# KiCad board poly_kb_wave_right.kicad_pcb (continued)
## Routing (per net, layer and track width the routed paths; a pad name or vN(x,y) marks a point on that pad's centre or on a via; arc(x,y) is an arc through that point) (continued)
/K_1/C1N: length 7
  Bottom w0.3: J2.5 64.15,115.97 64.97,116.79 68.81,116.79 C6_2.2
/K_1/C1P: length 5.1
  Bottom w0.3: C6_2.1 68.31,116.33 65.15,116.33 64.65,115.84 J2.4
/K_1/C2N: length 4.3
  Bottom w0.3: J2.3 65.15,114.53 65.2,114.48 66.66,114.48 66.71,114.42 68.44,114.42 C5_2.2
/K_1/C2P: length 5.2
  Bottom w0.3: J2.2 65.65,115.88 65.66,115.88 67.54,115.88 68.09,115.33 69,115.33 C5_2.1
/K_1/CS: length 115.8
  In2.Cu w0.254: v3(57.57,114.67) 57.57,112.74 58.1,112.2 62.5,112.2 65.8,108.91 65.8,106.81 66.9,105.7 68.6,105.7 72.1,102.2 89.1,102.2 91.8,104.91 110.6,104.91 113.1,102.41 129.5,102.41 132.19,99.71 145.41,99.71 146.42,100.72 v3(146.42,103.24)
  Bottom w0.254: U4.1 148.21,106.25 146.44,104.48 146.44,103.26 v3(146.42,103.24)
  Bottom w0.3: J2.8 62.65,114.43 62.4,114.17 62.4,113.4 61.89,112.9 59.35,112.9 v3(57.57,114.67) R1_2.2
/K_1/LED_DIN: length 16.4
  Top w0.3: LED2.4 70.79,117.32 71.39,117.92 80.49,117.92
/K_1/LED_DOUT: length 16.9
  Top w0.3: LED2.2 53.52,115.54 51.74,117.32 LED1.4
/K_1/VCOMH: length 4.7
  Bottom w0.3: J2.13 60.15,115.88 59.06,116.98 58.15,116.98 57.25,117.88 C4_2.1
/K_2/C1N: length 7
  Bottom w0.3: C6_3.2 87.86,119.17 84.02,119.17 83.2,118.36 J3.5
/K_2/C1P: length 5.1
  Bottom w0.3: J3.4 83.7,118.22 84.2,118.72 87.36,118.72 C6_3.1
/K_2/C2N: length 4.3
  Bottom w0.3: C5_3.2 87.49,116.8 85.76,116.8 85.71,116.86 84.25,116.86 84.2,116.91 J3.3
/K_2/C2P: length 5.2
  Bottom w0.3: J3.2 84.7,118.26 84.71,118.26 86.59,118.26 87.14,117.71 88.05,117.71 C5_3.1
/K_2/CS: length 89.6
  In2.Cu w0.254: v3(148.22,103.59) 147.61,104.2 128.7,104.2 126.3,106.6 110.2,106.6 107.2,109.6 93.7,109.6 90.7,112.6 82.8,112.6 80.7,114.7 78.97,114.7 v3(76.62,117.05)
  Bottom w0.254: U4.2 148.86,106.32 148.22,105.69 v3(148.22,103.59)
  Bottom w0.3: J3.8 81.7,116.81 81.45,116.55 81.45,115.78 80.94,115.28 78.4,115.28 v3(76.62,117.05) R1_3.2
/K_2/LED_DIN: length 17.6
  Top w0.3: LED4.2 98.84,121 94.85,121 92.75,118.91 84.2,118.91 83.42,119.69 LED3.4
/K_2/VCOMH: length 4.7
  Bottom w0.3: J3.13 79.2,118.26 78.11,119.36 77.2,119.36 76.3,120.26 C4_3.1
/K_3/C1N: length 7
  Bottom w0.3: C6_4.2 106.91,121.55 103.07,121.55 102.25,120.74 J4.5
/K_3/C1P: length 5.1
  Bottom w0.3: C6_4.1 106.41,121.1 103.25,121.1 102.75,120.6 J4.4
/K_3/C2N: length 4.3
  Bottom w0.3: C5_4.2 106.54,119.18 104.81,119.18 104.76,119.24 103.3,119.24 103.25,119.29 J4.3
/K_3/C2P: length 5.2
  Bottom w0.3: J4.2 103.75,120.64 103.76,120.65 105.64,120.65 106.19,120.09 107.1,120.09 C5_4.1
/K_3/CS: length 71.1
  In2.Cu w0.254: v3(148.91,105.24) 128.57,105.24 126.4,107.41 110.6,107.41 107.3,110.7 105,110.7 103.9,111.81 103.9,113.91 100.8,117 98.1,117 v3(95.67,119.44)
  Bottom w0.254: v3(148.91,105.24) 149.51,105.84 U4.3
  Bottom w0.3: J4.8 100.75,119.19 100.5,118.94 100.5,118.17 99.99,117.66 97.45,117.66 v3(95.67,119.44) R1_4.2
/K_3/LED_DIN: length 18
  Top w0.3: LED4.4 102.56,122.18 109.97,122.18 112.42,119.72 116.89,119.72 118.59,118.02 LED5.2
/K_3/VCOMH: length 15.7
  Top w0.3: v3(97.1,119.31) 96.35,120.06 95.15,120.06 93.3,118.2 93.3,112.31 v3(94.4,111.2)
  Bottom w0.3: J4.13 98.25,119.35 98,119.1 97.3,119.1 v3(97.1,119.31) ; v3(94.4,111.2) 93.55,112.06 C4_4.1
/K_4/C1N: length 7
  Bottom w0.3: C6_5.2 125.96,119.17 122.12,119.17 121.3,118.36 J5.5
/K_4/C1P: length 5.1
  Bottom w0.3: J5.4 121.8,118.22 122.3,118.72 125.46,118.72 C6_5.1
/K_4/C2N: length 4.3
  Bottom w0.3: C5_5.2 125.59,116.8 123.86,116.8 123.81,116.86 122.35,116.86 122.3,116.91 J5.3
/K_4/C2P: length 5.2
  Bottom w0.3: J5.2 122.8,118.26 122.81,118.26 124.69,118.26 125.24,117.71 126.15,117.71 C5_5.1
/K_4/CS: length 43.5
  In2.Cu w0.254: v3(119.44,115.67) 122.3,112.81 137.2,112.81 139.8,110.2 142.8,110.2 144.16,108.85 v3(150.13,108.85)
  Bottom w0.254: U4.4 150.16,108.82 v3(150.13,108.85)
  Bottom w0.3: R1_5.2 114.72,117.05 116.5,115.28 119.04,115.28 v3(119.44,115.67) 119.55,115.78 119.55,116.55 119.8,116.81 J5.8
/K_4/LED_DIN: length 17.9
  Top w0.3: LED5.4 129.01,119.7 131.4,117.31 135.9,117.31 137.64,115.57 LED6.2
/K_4/VCOMH: length 4.7
  Bottom w0.3: J5.13 117.3,118.26 116.21,119.36 115.3,119.36 114.4,120.26 C4_5.1
/K_5/C1N: length 7
  Bottom w0.3: C6_6.2 145.01,116.79 141.17,116.79 140.35,115.97 J6.5
/K_5/C1P: length 5.1
  Bottom w0.3: J6.4 140.85,115.84 141.35,116.33 144.51,116.33 C6_6.1
/K_5/C2N: length 4.3
  Bottom w0.3: C5_6.2 144.64,114.42 142.91,114.42 142.86,114.48 141.4,114.48 141.35,114.53 J6.3
/K_5/C2P: length 5.2
  Bottom w0.3: J6.2 141.85,115.88 141.86,115.88 143.74,115.88 144.29,115.33 145.2,115.33 C5_6.1
/K_5/CS: length 27
  In1.Cu w0.254: v3(138.55,113.36) 138.55,112.46 142,109 142,107.1 143.2,105.91 v3(145,105.91)
  In2.Cu w0.254: v3(145,105.91) 149.6,105.91 v3(149.99,105.51)
  Bottom w0.254: U4.5 150.81,106.69 149.99,105.88 v3(149.99,105.51) ; 145.07,105.84 v3(145,105.91)
  Bottom w0.3: J6.8 138.85,114.43 138.6,114.17 138.6,113.4 138.09,112.9 135.55,112.9 133.77,114.67 R1_6.2
/K_5/LED_DIN: length 21.6
  Top w0.3: LED7.2 153.53,115.54 151.75,117.32 LED6.4
/K_5/VCOMH: length 4.7
  Bottom w0.3: C4_6.1 133.45,117.88 134.35,116.98 135.26,116.98 136.35,115.88 J6.13
/K_A/C1N: length 7
  Bottom w0.3: C6_16.2 68.81,78.69 64.97,78.69 64.15,77.87 J16.5
/K_A/C1P: length 5.1
  Bottom w0.3: J16.4 64.65,77.74 65.15,78.23 68.31,78.23 C6_16.1
/K_A/C2N: length 4.3
  Bottom w0.3: C5_16.2 68.44,76.32 66.71,76.32 66.66,76.38 65.2,76.38 65.15,76.43 J16.3
/K_A/C2P: length 5.2
  Bottom w0.3: J16.2 65.65,77.78 65.66,77.78 67.54,77.78 68.09,77.23 69,77.23 C5_16.1
/K_A/CS: length 102.7
  In2.Cu w0.3: v3(62.3,75) 65.7,71.6 67.9,71.6 70.9,68.6 87.6,68.6 90,66.2 109.3,66.2 111.4,64.1 131.1,64.1 132.6,62.6 144.6,62.6 v3(146.24,64.25)
  Bottom w0.254: U6.1 146.24,66.06 v3(146.24,64.25)
  Bottom w0.3: J16.8 62.65,76.33 62.4,76.07 62.4,75.3 61.89,74.8 59.35,74.8 57.57,76.57 R1_16.2
/K_A/LED_DIN: length 16.4
  Top w0.3: 80.49,79.82 72.57,79.82 71.97,79.22 LED16.4
/K_A/LED_DOUT: length 16.9
  Top w0.3: LED16.2 53.52,77.44 51.74,79.22 LED15.4
/K_A/VCOMH: length 4.7
  Bottom w0.3: J16.13 60.15,77.78 59.06,78.88 58.15,78.88 57.25,79.78 C4_16.1
/K_B1/C1N: length 7
  Bottom w0.3: C6_30.2 29.58,27.76 25.96,26.45 25.48,25.41 J30.5
/K_B1/C1P: length 5.1
  Bottom w0.3: C6_30.1 29.25,27.16 26.29,26.09 25.99,25.45 J30.4
/K_B1/C2N: length 4.3
  Bottom w0.3: J30.3 26.91,24.39 26.97,24.36 28.34,24.86 28.41,24.82 30.04,25.41 C5_30.2
/K_B1/C2P: length 5.2
  Bottom w0.3: J30.2 26.92,25.83 26.92,25.83 28.69,26.48 29.39,26.15 30.25,26.46 C5_30.1
/K_B1/CS: length 84.4
  In1.Cu w0.3: v3(19.73,21.93) 21.16,20.5 58.85,20.5 61.73,23.38 90.44,23.38 v3(90.46,23.41)
  Bottom w0.254: U8.1 90.86,23.8 v3(90.46,23.41)
  Bottom w0.3: J30.8 24.48,23.75 24.48,22.12 23.93,21.57 22.01,20.87 v3(19.73,21.93) R1_30.2
/K_B1/LED_DIN: length 20.2
  Top w0.3: LED31.2 37.2,28.6 30.28,28.6 30.26,28.58 LED30.4
/K_B1/LED_DOUT: length 34.9
  Top w0.3: LED29.4 19.01,48.1 22.01,48.1 24.1,46 24.1,42.2 26.4,39.91 26.4,32.7 20.7,27 20.7,25.2 21.84,24.07 LED30.2
/K_B1/VCOMH: length 4.8
  Bottom w0.3: C4_30.1 18.96,24.38 20.84,24.38 20.86,24.36 21.75,23.95 J30.13
/K_B2/C1N: length 7
  Bottom w0.3: C6_31.2 51.78,33.38 48.04,32.49 47.44,31.51 J31.5
/K_B2/C1P: length 5.1
  Bottom w0.3: J31.4 47.96,31.49 48.33,32.09 51.39,32.83 C6_31.1
/K_B2/C2N: length 4.3
  Bottom w0.3: C5_31.2 51.97,31 50.29,30.59 50.22,30.63 48.81,30.3 48.75,30.33 J31.3
/K_B2/C2P: length 5.2
  Bottom w0.3: C5_31.1 52.3,32.01 51.41,31.8 50.75,32.21 48.92,31.77 48.92,31.76 J31.2
/K_B2/CS: length 63.4
  In1.Cu w0.3: v3(41.34,28.7) 43.24,26.81 47.3,26.81 48.3,25.81 53.9,25.81 55.85,23.85 88.65,23.85 89.18,24.38 v3(91.51,24.38)
  Bottom w0.254: U8.2 v3(91.51,24.38)
  Bottom w0.3: R1_31.2 v3(41.34,28.7) 43.48,27.39 45.95,27.98 46.33,28.6 46.15,29.34 46.34,29.66 J31.8
/K_B2/LED_DIN: length 21.8
  Top w0.3: LED31.4 48.81,34.34 LED32.2
/K_B2/VCOMH: length 5
  Bottom w0.3: C4_31.1 40.99,31.14 42.53,31.14 42.58,31.09 43.57,30.48 J31.13
/K_B3/C1N: length 7
  Bottom w0.3: C6_32.2 75.77,36.23 71.93,35.89 71.2,35.01 J32.5
/K_B3/C1P: length 5.1
  Bottom w0.3: J32.4 71.71,34.92 72.16,35.46 75.3,35.73 C6_32.1
/K_B3/C2N: length 4.3
  Bottom w0.3: J32.3 72.32,33.66 72.37,33.61 73.82,33.74 73.88,33.69 75.6,33.84 C5_32.2
/K_B3/C2P: length 5.2
  Bottom w0.3: J32.2 72.7,35.05 72.7,35.05 74.57,35.22 75.17,34.71 76.08,34.79 C5_32.1
/K_B3/CS: length 41.7
  In1.Cu w0.3: v3(92.16,25.19) 74.72,25.19 73.95,25.95 73.95,27.35 70.35,30.95 66.94,30.95 v3(64.75,33.14)
  Bottom w0.254: U8.3 v3(92.16,25.19)
  Bottom w0.3: J32.8 69.84,33.34 69.6,33.06 69.67,32.3 69.21,31.75 66.68,31.53 v3(64.75,33.14) R1_32.2
/K_B3/LED_DIN: length 31.4
  Top w0.3: LED33.2 97.4,44.1 94.96,41.66 94.94,41.66 89.66,36.37 LED32.4
/K_B3/VCOMH: length 4.9
  Bottom w0.3: C4_32.1 65.16,35.51 66.25,35.51 67.08,34.68 67.22,34.57 J32.13
/K_B4/C1N: length 7
  Bottom w0.3: C6_33.2 106.91,45.35 103.07,45.35 102.25,44.54 J33.5
/K_B4/C1P: length 5.1
  Bottom w0.3: C6_33.1 106.41,44.9 103.25,44.9 102.75,44.4 J33.4
/K_B4/C2N: length 4.3
  Bottom w0.3: J33.3 103.25,43.09 103.3,43.04 104.76,43.04 104.81,42.98 106.54,42.98 C5_33.2
/K_B4/C2P: length 5.2
  Bottom w0.3: J33.2 103.75,44.44 103.76,44.45 105.64,44.45 106.19,43.89 107.1,43.89 C5_33.1
/K_B4/CS: length 29.7
  In1.Cu w0.3: v3(95.67,43.24) 93,40.57 v3(93,25.13)
  Bottom w0.254: 93.08,25.13 93,25.13 v3(93,25.13) 92.8,25.32 U8.4
  Bottom w0.3: R1_33.2 v3(95.67,43.24) 97.45,41.46 99.99,41.46 100.5,41.97 100.5,42.74 100.75,42.99 J33.8
/K_B4/LED_DIN: length 17.8
  Top w0.3: LED34.2 110.55,41.72 106.38,45.88 LED33.4
/K_B4/VCOMH: length 4.7
  Bottom w0.3: C4_33.1 95.35,46.44 96.25,45.54 97.16,45.54 98.25,44.44 J33.13
/K_B5/C1N: length 7
  Bottom w0.3: C6_34.2 125.96,42.97 122.12,42.97 121.3,42.16 121.3,41.36
/K_B5/C1P: length 5.1
  Bottom w0.3: 121.8,41.36 121.8,42.02 122.3,42.52 125.46,42.52 C6_34.1
/K_B5/C2N: length 4.3
  Bottom w0.3: C5_34.2 125.59,40.6 123.86,40.6 123.81,40.66 122.35,40.66 122.3,40.71 122.3,41.36
/K_B5/C2P: length 5.2
  Bottom w0.3: C5_34.1 126.15,41.51 125.24,41.51 124.69,42.06 122.81,42.06 122.8,42.06 122.8,41.36
/K_B5/CS: length 42.4
  In1.Cu w0.3: v3(114.72,40.85) 109.4,35.54 109.4,27.82 107.2,25.62 94.28,25.62 v3(93.76,25.1)
  Bottom w0.254: 93.84,25.21 93.45,25.59 U8.5
  Bottom w0.3: 119.8,41.36 119.8,40.61 119.55,40.35 119.55,39.58 119.04,39.08 116.5,39.08 v3(114.72,40.85) R1_34.2
/K_B5/LED_DIN: length 18
  Top w0.3: LED34.4 130.43,43.5 132.83,41.1 136.2,41.1 137.64,39.67 LED35.2
/K_B5/VCOMH: length 4.7
  Bottom w0.3: C4_34.1 114.4,44.06 115.3,43.16 116.21,43.16 117.3,42.06 117.3,41.36
/K_B6/C1N: length 7
  Bottom w0.3: C6_35.2 145.01,40.59 141.17,40.59 140.35,39.77 J35.5
/K_B6/C1P: length 5.1
  Bottom w0.3: C6_35.1 144.51,40.13 141.35,40.13 140.85,39.64 J35.4
/K_B6/C2N: length 4.3
  Bottom w0.3: J35.3 141.35,38.33 141.4,38.28 142.86,38.28 142.91,38.22 144.64,38.22 C5_35.2
/K_B6/C2P: length 5.2
  Bottom w0.3: J35.2 141.85,39.68 141.86,39.68 143.74,39.68 144.29,39.13 145.2,39.13 C5_35.1
/K_B6/CS: length 59.3
  In1.Cu w0.3: v3(94.91,24.78) 94.91,24.78 126.53,24.78 128.85,27.1 128.85,33.56 v3(133.77,38.47)
  Bottom w0.254: 94.11,27 94.11,25.58 v3(94.91,24.78)
  Bottom w0.3: J35.8 138.85,38.23 138.6,37.97 138.6,37.2 138.09,36.7 135.55,36.7 v3(133.77,38.47) R1_35.2
/K_B6/LED_DIN: length 16.9
  Top w0.3: LED36.2 148.77,39.34 146.99,41.12 LED35.4
/K_B6/VCOMH: length 4.7
  Bottom w0.3: C4_35.1 133.45,41.68 134.35,40.78 135.26,40.78 136.35,39.68 J35.13
/K_B7/C1N: length 7
  Bottom w0.3: C6_36.2 164.06,40.59 160.22,40.59 159.4,39.77 J36.5
/K_B7/C1P: length 5.1
  Bottom w0.3: J36.4 159.9,39.64 160.4,40.13 163.56,40.13 C6_36.1
/K_B7/C2N: length 4.3
  Bottom w0.3: C5_36.2 163.69,38.22 161.96,38.22 161.91,38.28 160.45,38.28 160.4,38.33 J36.3
/K_B7/C2P: length 5.2
  Bottom w0.3: J36.2 160.9,39.68 160.91,39.68 162.79,39.68 163.34,39.13 164.25,39.13 C5_36.1
/K_B7/CS: length 81
  In1.Cu w0.3: v3(146.55,23.02) 150.79,27.26 150.79,36.44 v3(152.82,38.47)
  Bottom w0.3: U8.7 94.75,26.35 95.14,25.96 105.65,25.96 106.52,26.83 110.15,26.83 113.96,23.02 v3(146.55,23.02) ; J36.8 157.9,38.23 157.65,37.97 157.65,37.2 157.14,36.7 154.6,36.7 v3(152.82,38.47) R1_36.2
/K_B7/LED_DIN: length 175.3
  Top w0.254: LED36.4 159,41.74 v3(159,42.1)
  Top w0.3: 39.21,52.25 34.05,52.25 v3(32.3,50.5)
  In2.Cu w0.254: v3(32.3,50.5) 32.3,45.71 37.6,40.41 37.6,33.1 40.4,30.3 40.4,20.2 59.9,20.2 63.1,23.41 83,23.41 87.5,27.91 112.3,27.91 115,25.2 131.1,25.2 134.1,28.2 144.1,28.2 144.2,28.1 152.6,36.5 157.3,36.5 159.6,38.8 159.6,41.5 v3(159,42.1)
/K_B7/VCOMH: length 4.7
  Bottom w0.3: 152.5,41.92 152.5,41.68 153.4,40.78 154.31,40.78 155.4,39.68 J36.13
/K_B8/C1N: length 7
  Bottom w0.3: C6_29.2 21.47,48.42 17.85,47.1 17.37,46.06 J29.5
/K_B8/C1P: length 5.1
  Bottom w0.3: C6_29.1 21.14,47.82 18.18,46.74 17.88,46.1 J29.4
/K_B8/C2N: length 4.3
  Bottom w0.3: C5_29.2 21.93,46.07 20.3,45.48 20.23,45.51 18.86,45.01 18.8,45.04 J29.3
/K_B8/C2P: length 5.2
  Bottom w0.3: C5_29.1 22.14,47.12 21.28,46.8 20.58,47.13 18.81,46.49 18.81,46.49 J29.2
/K_B8/CS: length 120.4
  In1.Cu w0.3: v3(11.62,42.59) 8.28,41.37 8.28,37.57 16.07,16.69 v3(24.45,8.31)
  Bottom w0.3: U8.15 91.5,20.62 87.84,16.95 61.15,16.95 32.05,8.31 v3(24.45,8.31) ; J29.8 16.38,44.37 16.38,43.91 16.48,43.81 16.48,42.59 16.29,42.39 13.9,41.53 v3(11.62,42.59) R1_29.2
/K_B8/VCOMH: length 4.8
  Bottom w0.3: 9.88,45.2 10.83,44.75 12.23,45.26 13.64,44.61 J29.13
/K_B/C1N: length 7
  Bottom w0.3: C6_27.2 145.01,59.64 141.17,59.64 140.35,58.82 J27.5
/K_B/C1P: length 5.1
  Bottom w0.3: J27.4 140.85,58.69 141.35,59.18 144.51,59.18 C6_27.1
/K_B/C2N: length 4.3
  Bottom w0.3: J27.3 141.35,57.38 141.4,57.33 142.86,57.33 142.91,57.27 144.64,57.27 C5_27.2
/K_B/C2P: length 5.2
  Bottom w0.3: J27.2 141.85,58.73 141.86,58.73 143.74,58.73 144.29,58.18 145.2,58.18 C5_27.1
/K_B/CS: length 24.9
  Top w0.3: v3(138.53,56.18) 138.53,55.08 140.3,53.3 150.86,53.3 v3(150.88,53.33)
  Bottom w0.254: v3(150.88,53.33) 150.73,53.18 U7.5
  Bottom w0.3: J27.8 138.85,57.28 138.6,57.02 138.6,56.25 138.09,55.75 135.55,55.75 133.77,57.52 R1_27.2
/K_B/LED_DIN: length 21.6
  Top w0.3: LED28.2 153.53,58.39 151.75,60.17 LED27.4
/K_B/LED_DOUT: length 18
  Top w0.3: LED26.4 130.76,62.55 133.15,60.16 136.15,60.16 137.64,58.67 LED27.2
/K_B/VCOMH: length 4.7
  Bottom w0.3: C4_27.1 133.45,60.73 134.35,59.83 135.26,59.83 136.35,58.73 J27.13
/K_C/C1N: length 7
  Bottom w0.3: C6_25.2 106.91,64.4 103.07,64.4 102.25,63.59 J25.5
/K_C/C1P: length 5.1
  Bottom w0.3: C6_25.1 106.41,63.95 103.25,63.95 102.75,63.45 J25.4
/K_C/C2N: length 4.3
  Bottom w0.3: J25.3 103.25,62.14 103.3,62.09 104.76,62.09 104.81,62.03 106.54,62.03 C5_25.2
/K_C/C2P: length 5.2
  Bottom w0.3: J25.2 103.75,63.49 103.76,63.5 105.64,63.5 106.19,62.94 107.1,62.94 C5_25.1
/K_C/CS: length 68.8
  In2.Cu w0.3: v3(146.57,46.28) 145.95,46.91 127.6,46.91 125,49.5 108.7,49.5 104.1,54.1 104.1,57.1 v3(100.34,60.86)
  Bottom w0.254: v3(146.57,46.28) 146.57,48.23 147.35,49.01 148.01,49.01 149.43,50.43 U7.3
  Bottom w0.3: R1_25.2 95.67,62.29 97.45,60.51 99.99,60.51 100.5,61.02 100.5,61.79 100.75,62.04 J25.8
/K_C/LED_DIN: length 17.8
  Top w0.3: LED25.4 106.43,64.94 110.6,60.77 LED26.2
/K_C/LED_DOUT: length 16.4
  Top w0.3: LED25.2 91.62,63.16 91.02,62.55 LED24.4
/K_C/VCOMH: length 4.7
  Bottom w0.3: C4_25.1 95.35,65.49 96.25,64.59 97.16,64.59 98.25,63.49 J25.13
/K_D/C1N: length 7
  Bottom w0.3: C6_18.2 106.91,83.45 103.07,83.45 102.25,82.64 J18.5
/K_D/C1P: length 5.1
  Bottom w0.3: C6_18.1 106.41,83 103.25,83 102.75,82.5 J18.4
/K_D/C2N: length 4.3
  Bottom w0.3: C5_18.2 106.54,81.08 104.81,81.08 104.76,81.14 103.3,81.14 103.25,81.19 J18.3
/K_D/C2P: length 5.2
  Bottom w0.3: J18.2 103.75,82.54 103.76,82.55 105.64,82.55 106.19,81.99 107.1,81.99 C5_18.1
/K_D/CS: length 66.6
  In2.Cu w0.3: v3(100.37,79.94) 104,76.3 104,73.66 108.76,68.91 125.5,68.91 128.31,66.1 147.32,66.1 v3(147.91,65.51)
  Bottom w0.254: v3(147.91,65.51) 149.46,67.07 U6.3
  Bottom w0.3: R1_18.2 95.67,81.34 97.45,79.56 99.99,79.56 100.5,80.07 100.5,80.84 100.75,81.09 J18.8
/K_D/LED_DIN: length 17.8
  Top w0.3: LED19.2 110.89,79.82 106.72,83.98 LED18.4
/K_D/LED_DOUT: length 16.4
  Top w0.3: LED18.2 91.62,82.2 91.02,81.6 LED17.4
/K_D/VCOMH: length 4.3
  Bottom w0.3: 95.42,84.38 96.17,83.64 97.16,83.64 98.25,82.54 J18.13
/K_E/C1N: length 7
  Bottom w0.3: J11.5 102.25,101.69 103.07,102.5 106.91,102.5 C6_11.2
/K_E/C1P: length 5.1
  Bottom w0.3: C6_11.1 106.41,102.05 103.25,102.05 102.75,101.55 J11.4
/K_E/C2N: length 4.3
  Bottom w0.3: J11.3 103.25,100.24 103.3,100.19 104.76,100.19 104.81,100.13 106.54,100.13 C5_11.2
/K_E/C2P: length 5.2
  Bottom w0.3: C5_11.1 107.1,101.04 106.19,101.04 105.64,101.6 103.76,101.6 103.75,101.59 J11.2
/K_E/CS: length 72.4
  In2.Cu w0.3: v3(146.34,86.89) 144.45,85 127.11,85 124.3,87.8 108.4,87.8 104,92.2 104,95.31 v3(100.34,98.96)
  Bottom w0.3: R1_11.2 95.61,100.39 97.38,98.61 99.99,98.61 100.5,99.12 100.5,99.89 100.75,100.14 J11.8 ; v3(146.34,86.89) 146.34,88 147.41,89.07 147.41,91.35 147.74,91.68 147.74,92.29 148.1,92.64 148.91,92.64 149.51,92.05 U5.3
/K_E/LED_DIN: length 17.8
  Top w0.3: LED11.4 110.11,103.03 112.44,100.7 116.76,100.7 LED12.2
/K_E/LED_DOUT: length 16.4
  Top w0.3: LED11.2 90.44,101.25 89.84,100.65 LED10.4
/K_E/VCOMH: length 4.7
  Bottom w0.3: J11.13 98.25,101.59 97.16,102.69 96.25,102.69 95.35,103.59 C4_11.1
/K_F/C1N: length 7
  Bottom w0.3: J19.5 121.3,80.26 122.12,81.07 125.96,81.07 C6_19.2
/K_F/C1P: length 5.1
  Bottom w0.3: J19.4 121.8,80.12 122.3,80.62 125.46,80.62 C6_19.1
/K_F/C2N: length 4.3
  Bottom w0.3: C5_19.2 125.59,78.7 123.86,78.7 123.81,78.76 122.35,78.76 122.3,78.81 J19.3
/K_F/C2P: length 5.2
  Bottom w0.3: C5_19.1 126.15,79.61 125.24,79.61 124.69,80.16 122.81,80.16 122.8,80.16 J19.2
/K_F/CS: length 47.8
  In2.Cu w0.3: v3(119.4,77.41) 122.4,74.41 124.8,74.41 132.1,67.1 147.51,67.1 148.51,66.1 v3(148.51,64.57)
  Bottom w0.254: U6.4 150.11,66.16 v3(148.51,64.57)
  Bottom w0.3: J19.8 119.8,78.71 119.55,78.45 119.55,77.68 119.04,77.18 116.5,77.18 114.72,78.95 R1_19.2
/K_F/LED_DIN: length 17.9
  Top w0.3: LED19.4 130.76,81.6 133.03,79.33 135.88,79.33 137.64,77.57 LED20.2
/K_F/VCOMH: length 4.7
  Bottom w0.3: J19.13 117.3,80.16 116.21,81.26 115.3,81.26 114.4,82.16 C4_19.1
/K_G/C1N: length 7
  Bottom w0.3: J20.5 140.35,77.87 141.17,78.69 145.01,78.69 C6_20.2
/K_G/C1P: length 5.1
  Bottom w0.3: J20.4 140.85,77.74 141.35,78.23 144.51,78.23 C6_20.1
/K_G/C2N: length 4.3
  Bottom w0.3: J20.3 141.35,76.43 141.4,76.38 142.86,76.38 142.91,76.32 144.64,76.32 C5_20.2
/K_G/C2P: length 5.2
  Bottom w0.3: J20.2 141.85,77.78 141.86,77.78 143.74,77.78 144.29,77.23 145.2,77.23 C5_20.1
/K_G/CS: length 25.8
  Top w0.3: v3(146.11,69.25) 146.04,69.33 146.04,70.77 144.6,72.2 140,72.2 138.5,73.71 v3(138.5,75.21)
  Bottom w0.254: v3(146.11,69.25) 150.1,69.25 150.76,68.6 U6.5
  Bottom w0.3: R1_20.2 133.77,76.57 135.55,74.8 138.09,74.8 138.6,75.3 138.6,76.07 138.85,76.33 J20.8
/K_G/LED_DIN: length 29.5
  Top w0.3: LED20.4 142.19,79.22 148.55,72.86 153.42,72.86 155.32,74.76 161.39,74.76 161.69,74.46 162.76,74.46 163,74.7 163,75.89 LED21.2
/K_G/VCOMH: length 4.5
  Bottom w0.3: J20.13 136.35,77.78 135.26,78.88 134.03,78.88 133.29,79.62
/K_L1/C1N: length 7
  Bottom w0.3: J1.5 45.1,115.97 45.92,116.79 49.76,116.79 C6_1.2
/K_L1/C1P: length 5.1
  Bottom w0.3: C6_1.1 49.26,116.33 46.1,116.33 45.6,115.84 J1.4
/K_L1/C2N: length 4.3
  Bottom w0.3: C5_1.2 49.39,114.42 47.66,114.42 47.61,114.48 46.15,114.48 46.1,114.53 J1.3
/K_L1/C2P: length 5.2
  Bottom w0.3: C5_1.1 49.95,115.33 49.04,115.33 48.49,115.88 46.61,115.88 46.6,115.88 J1.2
/K_L1/CS: length 130.4
  In2.Cu w0.254: v3(38.52,114.67) 40.89,112.31 43.3,112.31 46.9,108.7 46.9,106.2 48.8,104.31 68.4,104.31 71.3,101.41 89.6,101.41 92.2,104 110.3,104 112.7,101.6 129,101.6 131.51,99.1 147.31,99.1 v3(148.15,99.94)
  Bottom w0.254: U4.15 148.86,100.65 v3(148.15,99.94)
  Bottom w0.3: R1_1.2 v3(38.52,114.67) 40.3,112.9 42.84,112.9 43.35,113.4 43.35,114.17 43.6,114.43 J1.8
/K_L1/LED_DOUT: length 149.3
  Top w0.3: v3(39.6,105.41) 38.7,105.41 37.3,106.81 37.3,114.7 38.14,115.54 LED1.2 ; LED14.4 164.38,99.08 v3(165.1,99.81) ; v3(49.6,103.5) 52.2,100.91 69.6,100.91 70.8,102.1 89,102.1 91.9,105 110.5,105 113.1,102.41 129.6,102.41 131.1,100.91 v3(154,100.91)
  Bottom w0.3: v3(165.1,99.81) 158.19,99.81 157.09,100.91 v3(154,100.91) ; v3(49.6,103.5) 48.6,104.5 40.5,104.5 v3(39.6,105.41)
/K_L1/VCOMH: length 4.7
  Bottom w0.3: C4_1.1 38.2,117.88 39.1,116.98 40.01,116.98 41.1,115.88 J1.13
/K_L2/C1N: length 7
  Bottom w0.3: J8.5 45.1,96.92 45.92,97.74 49.76,97.74 C6_8.2
/K_L2/C1P: length 5.1
  Bottom w0.3: J8.4 45.6,96.79 46.1,97.28 49.26,97.28 C6_8.1
/K_L2/C2N: length 4.3
  Bottom w0.3: C5_8.2 49.39,95.37 47.66,95.37 47.61,95.43 46.15,95.43 46.1,95.48 J8.3
/K_L2/C2P: length 5.2
  Bottom w0.3: C5_8.1 49.95,96.28 49.04,96.28 48.49,96.83 46.61,96.83 46.6,96.83 J8.2
/K_L2/CS: length 128.8
  In2.Cu w0.3: v3(43.2,94.21) 46.9,90.5 46.9,87.3 48.7,85.5 67.2,85.5 70.1,82.6 92.9,82.6 94.1,83.8 104.3,83.8 108,80.1 125.1,80.1 125.5,79.7 141.48,79.7 142.75,80.97 149.25,80.97 150.31,82.03 v3(150.31,82.59)
  Bottom w0.254: U5.15 148.86,84.03 v3(150.31,82.59)
  Bottom w0.3: R1_8.2 38.52,95.62 40.3,93.85 42.84,93.85 43.35,94.35 43.35,95.12 43.6,95.38 J8.8
/K_L2/LED_DIN: length 16.9
  Top w0.3: LED9.2 53.52,96.49 51.74,98.27 LED8.4
/K_L2/LED_DOUT: length 153.8
  Top w0.3: v3(49.5,84.6) 52.6,81.5 70.1,81.5 72.8,84.2 89,84.2 90.3,85.5 110.1,85.5 112.45,83.16 132.45,83.16 133.71,81.9 153.41,81.9 154.9,80.41 160.01,80.41 v3(160.41,80.81) ; v3(37.25,85.55) 33.55,89.25 33.55,93.55 36.49,96.49 LED8.2 ; v3(164.5,80.3) 164.38,80.18 LED21.4
  Bottom w0.3: v3(160.41,80.81) 160.92,80.3 v3(164.5,80.3) ; v3(37.25,85.55) 37.65,85.16 48.95,85.16 v3(49.5,84.6)
/K_L2/VCOMH: length 4.8
  Bottom w0.3: J8.13 41.1,96.83 40.01,97.93 38.51,97.93 37.77,98.67
/K_L3/C1N: length 7
  Bottom w0.3: J15.5 45.1,77.87 45.92,78.69 49.76,78.69 C6_15.2
/K_L3/C1P: length 5.1
  Bottom w0.3: J15.4 45.6,77.74 46.1,78.23 49.26,78.23 C6_15.1
/K_L3/C2N: length 4.3
  Bottom w0.3: C5_15.2 49.39,76.32 47.66,76.32 47.61,76.38 46.15,76.38 46.1,76.43 J15.3
/K_L3/C2P: length 5.2
  Bottom w0.3: C5_15.1 49.95,77.23 49.04,77.23 48.49,77.78 46.61,77.78 46.6,77.78 J15.2
/K_L3/CS: length 125.9
  In2.Cu w0.3: v3(148.72,59.56) 147.27,61 132.2,61 129.8,63.41 84.5,63.41 84,63.91 70,63.91 67.3,66.6 48.2,66.6 46.9,67.91 46.9,71.1 45.8,72.2 44.7,72.2 43.7,73.2 43.7,74.7 v3(43.23,75.18)
  Bottom w0.254: v3(148.72,59.56) 148.81,59.65 U6.15
  Bottom w0.3: R1_15.2 38.52,76.57 40.3,74.8 42.84,74.8 43.35,75.3 43.35,76.07 43.6,76.33 J15.8
/K_L3/LED_DOUT: length 152
  Top w0.3: LED28.4 163.14,60.17 v3(163.1,60.2) ; LED15.2 36.17,77.44 34,75.28 34,70.5 v3(37.2,67.3) ; v3(154.3,62.5) 133.6,62.5 131.7,64.41 111.8,64.41 109.6,66.6 89.93,66.6 87.33,64 70.9,64 69.5,62.6 52.5,62.6 v3(49.7,65.41)
  Bottom w0.3: v3(154.3,62.5) 157.6,62.5 158.8,61.3 162,61.3 v3(163.1,60.2) ; v3(49.7,65.41) 48.8,66.3 38.2,66.3 v3(37.2,67.3)
/K_L3/VCOMH: length 4.7
  Bottom w0.3: C4_15.1 38.2,79.78 39.1,78.88 40.01,78.88 41.1,77.78 J15.13
/K_L4/C1N: length 7
  Bottom w0.3: C6_22.2 46.11,55.1 42.37,54.2 41.77,53.22 J22.5
/K_L4/C1P: length 5.1
  Bottom w0.3: J22.4 42.29,53.2 42.66,53.8 45.72,54.54 C6_22.1
/K_L4/C2N: length 4.3
  Bottom w0.3: J22.3 43.08,52.04 43.14,52.01 44.55,52.35 44.62,52.3 46.3,52.71 C5_22.2
/K_L4/C2P: length 5.2
  Bottom w0.3: J22.2 43.25,53.48 43.25,53.48 45.08,53.92 45.74,53.51 46.63,53.72 C5_22.1
/K_L4/CS: length 123.4
  In2.Cu w0.3: v3(148.78,43.77) 146.88,41.87 132.65,41.87 130.52,44 106.6,44 104.7,45.91 94.9,45.91 93.7,44.7 70.8,44.7 68.4,47.1 43.6,47.1 v3(40.56,50.15)
  Bottom w0.254: U7.15 v3(148.78,43.77)
  Bottom w0.3: R1_22.2 35.67,50.42 37.81,49.1 40.28,49.7 v3(40.56,50.15) 40.66,50.31 40.48,51.06 40.67,51.37 J22.8
/K_L4/LED_DIN: length 21.4
  Top w0.3: LED23.2 45.49,58.39 41.68,54.58 LED22.4
/K_L4/VCOMH: length 4.8
  Bottom w0.3: J22.13 37.9,52.19 36.58,53 35.13,52.66 34.23,53.2
/K_L6/C1N: length 7
  Bottom w0.3: C6_7.2 168.83,116.79 164.98,116.79 164.17,115.97 J7.5
/K_L6/C1P: length 5.1
  Bottom w0.3: C6_7.1 168.32,116.33 165.17,116.33 164.67,115.84 J7.4
/K_L6/C2N: length 4.3
  Bottom w0.3: C5_7.2 168.46,114.42 166.73,114.42 166.67,114.48 165.21,114.48 165.17,114.53 J7.3
/K_L6/C2P: length 5.2
  Bottom w0.3: J7.2 165.67,115.88 165.67,115.88 167.55,115.88 168.1,115.33 169.01,115.33 C5_7.1
/K_L6/CS: length 19.3
  In1.Cu w0.3: v3(151.45,108.85) 151.45,110.15 155.97,114.67 v3(157.58,114.67)
  Bottom w0.254: U4.6 151.46,108.84 v3(151.45,108.85)
  Bottom w0.3: J7.8 162.67,114.43 162.41,114.17 162.41,113.4 161.9,112.9 159.36,112.9 v3(157.58,114.67) R1_7.2
/K_L6/VCOMH: length 4.7
  Bottom w0.3: C4_7.1 157.27,117.88 158.16,116.98 159.07,116.98 160.17,115.88 J7.13
/K_L7/C1N: length 7
  Bottom w0.3: C6_14.2 168.83,97.74 164.98,97.74 164.17,96.92 J14.5
/K_L7/C1P: length 5.1
  Bottom w0.3: J14.4 164.67,96.79 165.17,97.28 168.32,97.28 C6_14.1
/K_L7/C2N: length 4.3
  Bottom w0.3: J14.3 165.17,95.48 165.21,95.43 166.67,95.43 166.73,95.37 168.46,95.37 C5_14.2
/K_L7/C2P: length 5.2